# Altium PCB slave-14-mc33775.PcbDoc (part 2 of 5)
Units mil, origin at the board's own origin, x right, y up, seen from the top; angles counter-clockwise.
Board outline 6512.5 x 4562.01 mil, 6 copper layers (Top Copper, Supply, Signal Layer 1, Signal Layer 2, GND, Bot Copper), stack 69.773 mil thick; 427 components, 213 nets, 1131 pads, 1672 vias.
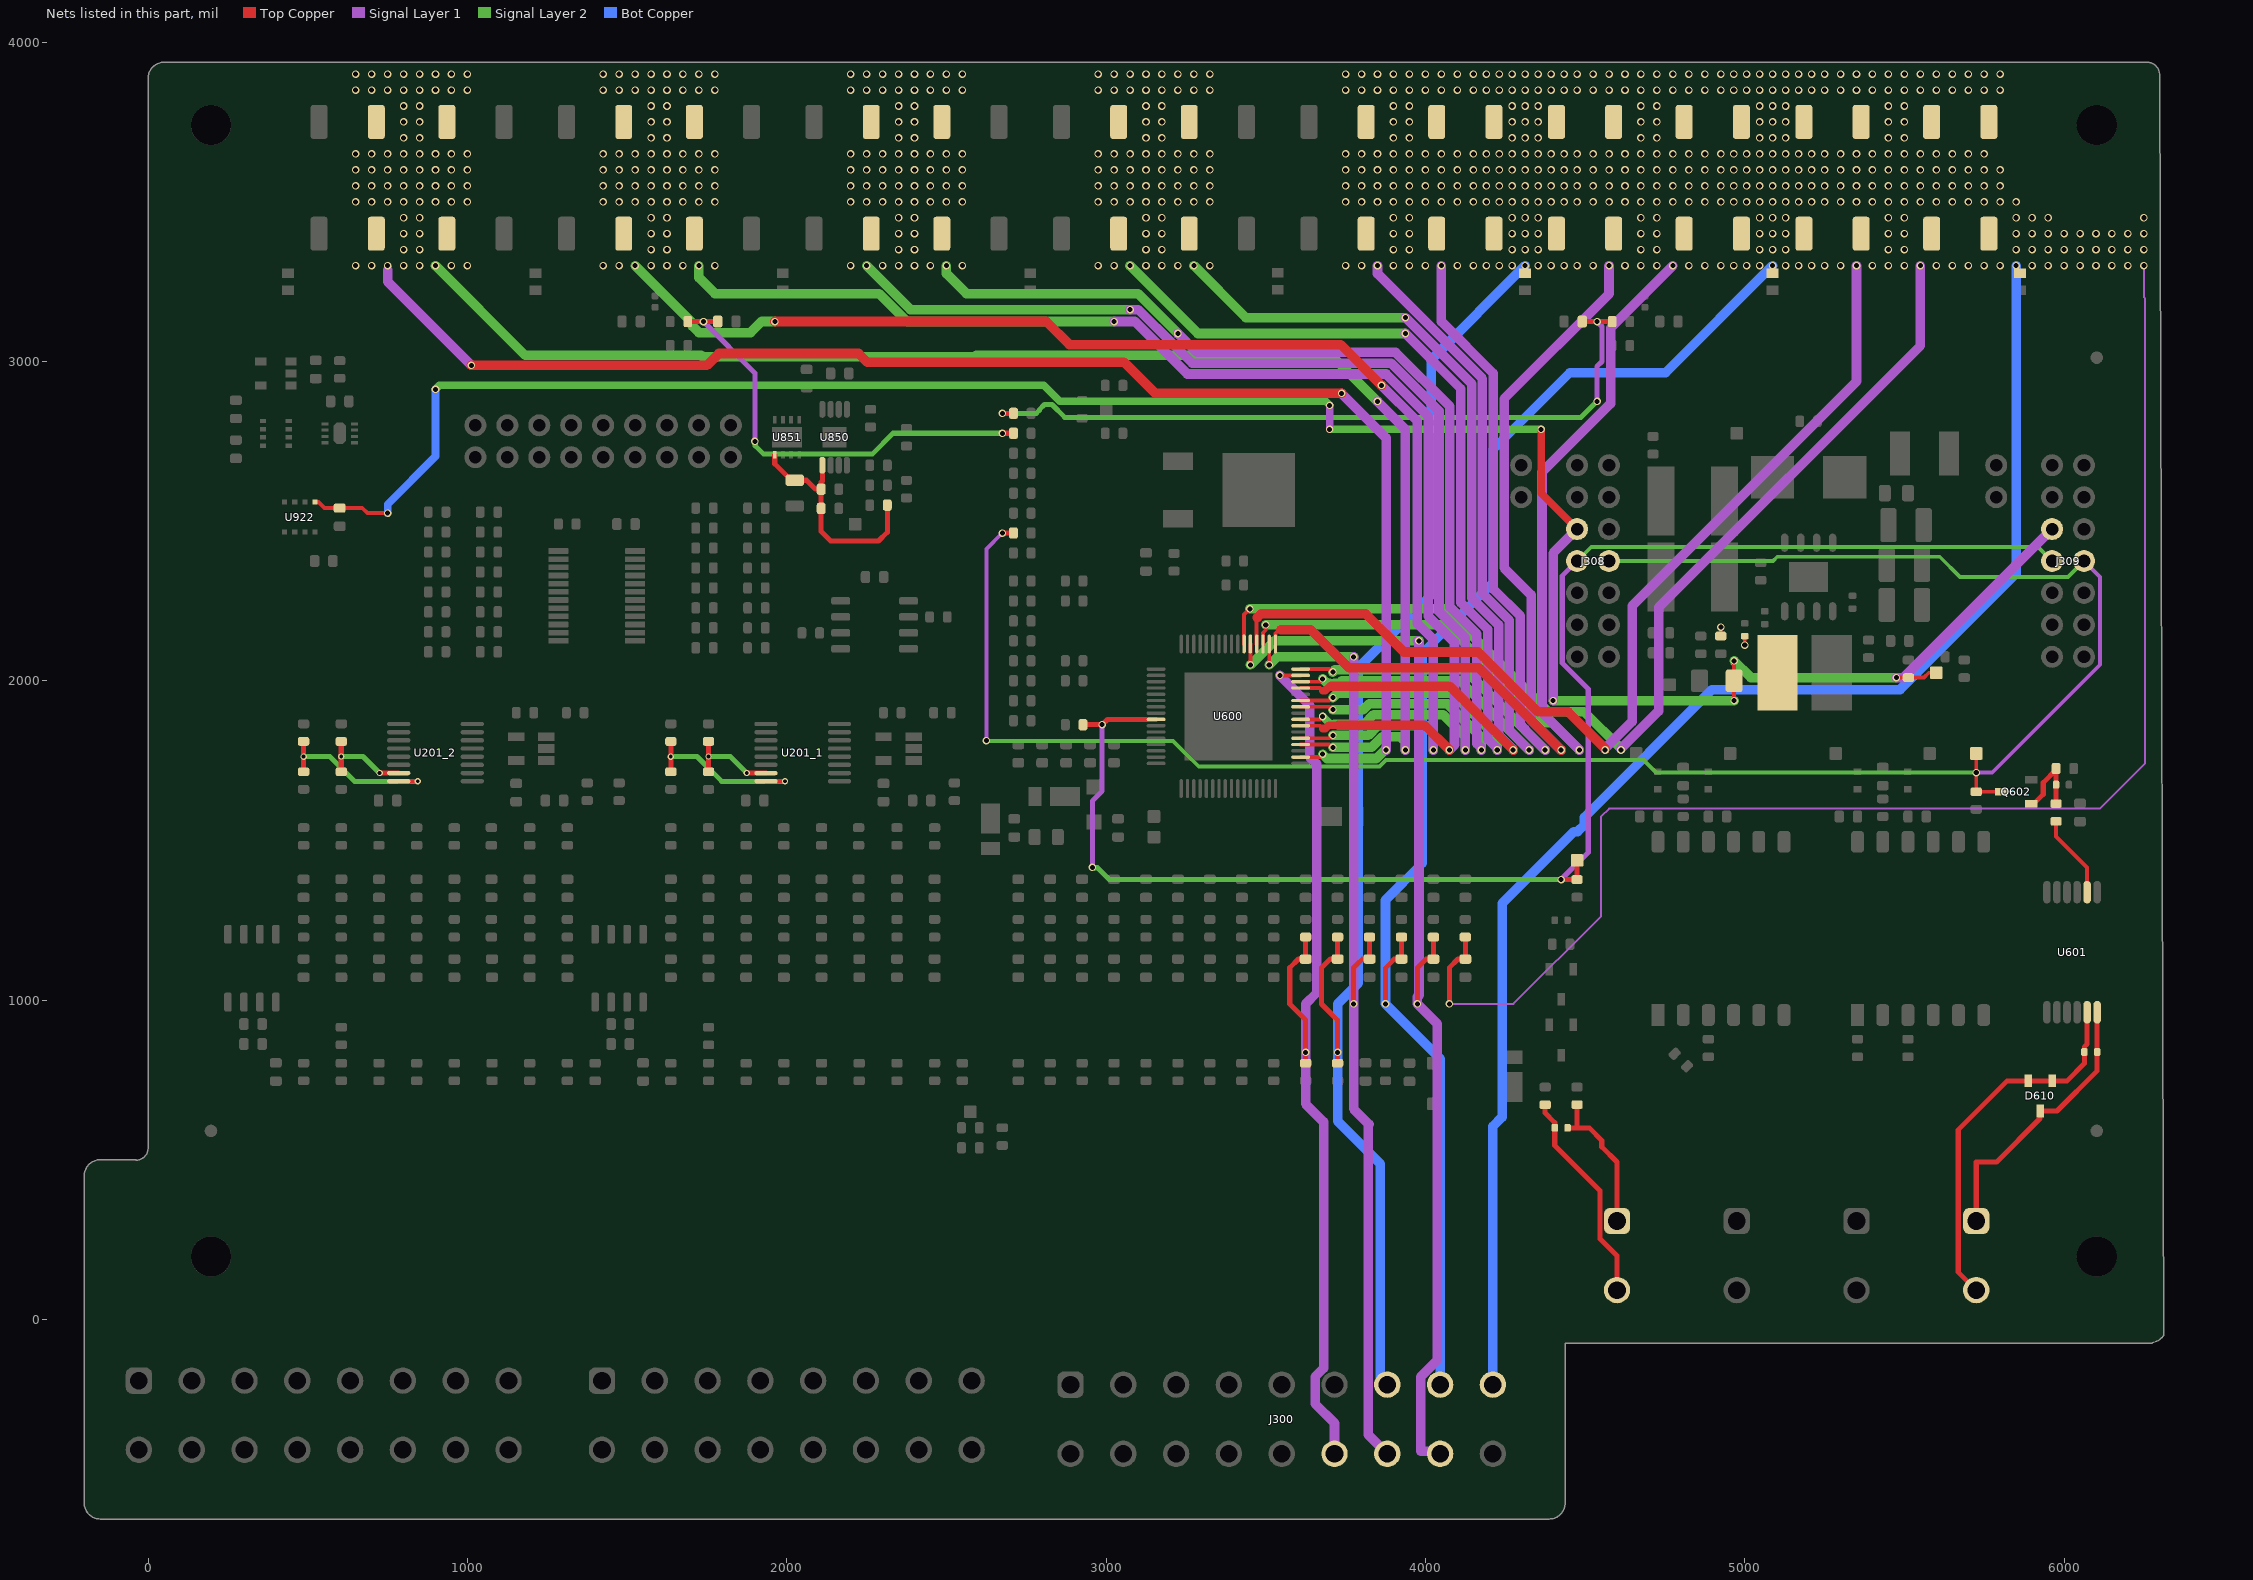
[diagram p6: the nets of this part, all layers, seen from the top]

## Footprints (in the part's own frame and the unit in brackets; to place one, negate y for a bottom-side part, rotate by r counter-clockwise, add the part's x,y. Pads: shape width x height; smd on the part's side, far side on the other; paste and mask are expansions set on the pad) (continued)
R-PDSO-G8 [mm] "SOIC, 8-Leads, Body 4,90x3,90mm, Pitch 1,27mm, Thermal Pad 3,10x2,40mm, IPC Medium Density"
  oval 1.45x0.6 smd: 1(-2.725,1.905) 2(-2.725,0.635) 3(-2.725,-0.635) 4(-2.725,-1.905) 5(2.725,-1.905) 6(2.725,-0.635) 7(2.725,0.635) 8(2.725,1.905)
  rect 2.4x3.1 smd: 9(0,0)
  silkscreen extent -2.85,-2.5 1.6,2.88, body extent -3,-2.5 3,2.5, height 1.7
RESC1005X04N [mm] "Chip Resistor, 2-Leads, Body 1,00x0,50mm, IPC Medium Density"
  rrect50% 0.55x0.55 smd: 1(-0.45,0) 2(0.45,0)
  body extent -0.53,-0.28 0.53,0.28, height 0.4
RESC1608X05N [mm] "Chip Resistor, 2-Leads, Body 1,60x0,80mm, IPC Medium Density"
  rrect50% 0.7x0.9 smd: 1(-0.7,0) 2(0.7,0)
  body extent -0.85,-0.45 0.85,0.45, height 0.45
RESC2012X05N [mm] "Chip Resistor, 2-Leads, Body 2,00x1,20mm, IPC Medium Density"
  rrect40% 0.95x1.3 smd: 1(-0.925,0) 2(0.925,0)
  silkscreen extent -0.05,-0.55 0.05,0.55, body extent -1.05,-0.65 1.05,0.65, height 0.5
RESC5025X07N [mm] "Chip Resistor, 2-Leads, Body 5,00x2,50mm, IPC Medium Density"
  rrect30% 1.35x2.7 smd: 1(-2.275,0) 2(2.275,0)
  silkscreen extent -1.2,-1.25 1.2,1.25, body extent -2.6,-1.35 2.6,1.35, height 0.7
S1MSP1 [mm] "SODFL, 2-Leads, Body 1,78x3,70mm, IPC Medium Density"
  rect 2.4x1.5 smd: 1(0.85,0)
  rect 1.05x1.5 smd: 2(-1.525,0)
  silkscreen extent 1.73,-1.07 1.83,-0.97, body extent -1.85,-0.96 1.85,0.96, height 1
SHT3X [mm] "SON, 8-Leads, Body 2,50x2,50mm, Pitch 0,50mm, Thermal Pad 1,80x1,09mm, IPC Medium Density"
  rect 0.55x0.25 smd: 1(-1.17,0.75) 2(-1.17,0.25) 3(-1.17,-0.25) 4(-1.17,-0.75) 5(1.17,-0.75) 6(1.17,-0.25) 7(1.17,0.25) 8(1.17,0.75)
  oct 1x1.7 smd: 9(0,0)
  Top Copper region: 0,-0.849 0.5,-0.849 0.5,0.851 0,0.851
  Top Copper region: -0.499,-0.85 0.001,-0.85 0.001,0 -0.499,0
  silkscreen extent -1.9,-1.45 1.45,1.5, body extent -1.25,-1.25 1.25,1.25, height 0.9
SOD523_PESD_NEXPERIA [mm] "SODFL, 2-Leads, Body 0,80x1,60mm, IPC Medium Density"
  rect 0.5x0.6 smd: 1(-0.7,0) 2(0.7,0)
  silkscreen extent -0.9,0.55 -0.8,0.65, body extent -0.8,-0.43 0.8,0.43, height 0.65
SOIC127P600X175-8N [mm] "SOIC, 8-Leads, Body 4,90x3,90mm, Pitch 1,27mm, IPC Medium Density"
  rrect50% 1.5x0.6 smd: 1(-2.7,1.905) 2(-2.7,0.635) 3(-2.7,-0.635) 4(-2.7,-1.905) 5(2.7,-1.905) 6(2.7,-0.635) 7(2.7,0.635) 8(2.7,1.905)
  silkscreen extent -2.8,-2.45 1.55,2.8, body extent -3,-2.45 3,2.45, height 1.75
SOT95P237X110-3N [mm] "SOT23, 3-Leads, Body 2,92x2,37mm, Pitch 0,95mm, IPC Medium Density"
  rect 1x0.6 smd: D(1.2,0) G(-1.2,0.95) S(-1.2,-0.95)
  silkscreen extent -0.3,-1.5 0.7,1.5, body extent -1.32,-1.52 1.32,1.52, height 1.1
SOT-23-OT5_L [mm] "SOT23, 5-Leads, Body 2.9x1.7mm, Pitch 0.95mm, Lead Span 2.8mm, IPC High Density"
  rect 0.9x0.65 smd: 1(-1.2,0.95) 2(-1.2,0) 3(-1.2,-0.95) 4(1.2,-0.95) 5(1.2,0.95)
  silkscreen extent -1.33,-1.55 0.35,1.95, body extent -0.9,-1.55 0.9,1.55, height 1.45
SRP7028A [mm] "Bourns SRP7028A Series"
  rect 3.45x3.35 smd: 1(-2.875,0) 2(2.875,0)
  silkscreen extent -3.8,-3.45 3.8,3.45, body extent -3.45,-3.3 3.45,3.3, height 2.86
Testpoint_S1 [mm] "Testpunkt, quardratisch 1mm"
  rrect20% 1x1 smd paste-0.5: 1(0,0)
TPS7A16_VSON [mm] "SON, 8-Leads, Body 3,00x3,00mm, Pitch 0,65mm, Thermal Pad 2,40x1,49mm, IPC Medium Density"
  rect 0.6x0.3 smd: 1(-1.4,0.975) 2(-1.4,0.325) 3(-1.4,-0.325) 4(-1.4,-0.975) 5(1.4,-0.975) 6(1.4,-0.325) 7(1.4,0.325) 8(1.4,0.975)
  rect 1.65x2.4 smd: 9(0,0)
  silkscreen extent -2.15,-1.7 1.7,1.75, body extent -1.55,-1.55 1.55,1.55, height 1
TPS7A16A-Q1 [mm] "TSOP, 8-Leads, Body 3,00x3,00mm, Pitch 0,65mm, Thermal Pad 1,92x1,60mm, IPC Medium Density"
  oval 1.35x0.5 smd: 1(-2.225,0.975) 2(-2.225,0.325) 3(-2.225,-0.325) 4(-2.225,-0.975) 5(2.225,-0.975) 6(2.225,-0.325) 7(2.225,0.325) 8(2.225,0.975)
  rect 1.6x1.92 smd: 9(0,0)
  silkscreen extent -2.35,-1.55 1.15,1.9, body extent -2.45,-1.55 2.45,1.55, height 1.1
TYS6045470M-10 [mm] "Precision Wire Wound Inductor, 2-Leads, Body 6,00x6,00mm, IPC Medium Density"
  rect 3.2x6 smd: 1(-2.15,0) 2(2.15,0)
  silkscreen extent -4.05,-3.15 0.15,3.15, body extent -3.1,-3 3.1,3, height 4.8
Vishay_THJP_0603 [mm] "ThermaWick Ceramic thermal coupling, 2-Leads, Body 1,55x0,84mm, IPC Medium Density"
  rect 0.75x0.95 smd: 1(-0.675,0) 2(0.675,0)
  body extent -0.84,-0.49 0.84,0.49, height 0.89

## Part data
3.3V_DCDC 3.3V_LDO ALARM_IN ALARM_OUT enable_DCDC GND TPL_H_N TPL_H_P TPL_L_N TPL_L_P Vaux Vbat Vbat_con_ext Vddc Vin_DCDC Vmodule: "Testpoint, square", Automotive Qualified=False, Part Number=Testpoint_Square
C200_1 C200_2 C203_1 C203_2 C220_1 C220_2: library part gen_C_ceramic_1u_35V_X7R_0603, "MLCC", Capacitance=1u, Case EIA=0603, Case Metric=1608, Dielectric=X7R, Operating Temperature="-55°C - +125°C", PnP Package=0603C, PnP Value=1uF/35V/X7R, Rated Voltage=35V, Supplier Part Number 1=2906941, AEC-Q Norm=AEC-Q200, Automotive Qualified=True, ECCN=EAR99, Part Number=gen_C_ceramic_1u_35V_X7R_0603, PnP equipped=x, Supplier 1=Farnell
C201_1 C201_2 C212_1 C212_2 C213_1 C213_2 C214_1 C214_2 C215_1 C215_2 C216_1 C216_2 C217_1 C217_2 C218_1 C218_2 C219_1 C219_2 C221_1 C221_2 C400 C601 C603 C604 C605 C606 C613 C617 C807 C850 C852 C900 C920 C921 C922 C923 C924 C925: library part gen_C_ceramic_100n_100V_X7R_0603, "MLCC", Capacitance=100n, Case EIA=0603, Case Metric=1608, Dielectric=X7R, PnP Package=0603C, Rated Voltage=100V, Supplier Part Number 1=490-13420-1-ND, Automotive Qualified=True, Part Number=gen_C_ceramic_100n_100V_X7R_0603, Supplier 1=Digikey, Supplier 2=Mouser, Supplier Part Number 2=81-GCJ188R72A104KA1D
C202_1 C202_2 C204_1 C204_2 C205_1 C205_2 C206_1 C206_2 C207_1 C207_2 C208_1 C208_2 C209_1 C209_2 C210_1 C210_2 C211_1 C211_2 C607 C610: library part gen_C_ceramic_10n_100V_X7R_0603, "MLCC", Capacitance=10n, Case EIA=0603, Case Metric=1608, Dielectric=X7R, PnP Package=0603C, PnP Value=10nF/100V/X7R, Rated Voltage=100V, Supplier Part Number 1=1301715, AEC-Q Norm=AEC-Q200, Automotive Qualified=True, ECCN=EAR99, Part Number=gen_C_ceramic_10n_100V_X7R_0603, Supplier 1=Farnell, Supplier 2=Farnell, Supplier 3=Farnell, Supplier Part Number 2=2821192, Supplier Part Number 3=2210878
C500 C501 C502 C503 C504 C505 C506 C507 C508 C509 C510 C511 C512 C513 C514 C515 C516 C517 C518 C519 C520 C521 C522 C523 C524 C525 C526 C527 C528 C529 C530 C531 C600 C700 C701 C702 C703: library part gen_C_ceramic_47n_100V_X7R_0603, "MLCC", Capacitance=47n, Case EIA=0603, Case Metric=1608, Dielectric=X7R, PnP Package=0603C, Rated Voltage=100V, Supplier Part Number 1=2478249, Automotive Qualified=True, Part Number=gen_C_ceramic_47n_100V_X7R_0603, Supplier 1=Farnell, Supplier 2=Farnell, Supplier 3=Farnell, Supplier Part Number 2=2708699, Supplier Part Number 3=2905110
C602 C608 C609 C612: library part gen_C_ceramic_220p_50V_C0G_0603, "MLCC", Capacitance=220p, Case EIA=0603, Case Metric=1608, Dielectric=C0G, PnP Package=0603C, Rated Voltage=50V, Supplier Part Number 1=603-AC603JRNPO9BN221, AEC-Q Norm=AEC-Q200, Automotive Qualified=True, ECCN=EAR99, Part Number=gen_C_ceramic_220p_50V_C0G_0603, Supplier 1=Mouser
C611: library part gen_C_ceramic_470n_50V_X7R_0603, "MLCC", Capacitance=470n, Case EIA=0603, Case Metric=1608, Dielectric=X7R, PnP Package=0603C, Rated Voltage=50V, Supplier Part Number 1=2547051, AEC-Q Norm=AEC-Q200, Automotive Qualified=True, ECCN=EAR99, Part Number=gen_C_ceramic_470n_50V_X7R_0603, Supplier 1=Farnell
C614 C615 C616 C618: library part gen_C_ceramic_22p_50V_C0G_0402, "MLCC", Capacitance=22p, Case EIA=0402, Case Metric=1005, Dielectric=C0G, PnP Package=0402C, Rated Voltage=50V, Supplier Part Number 1=1856067, Tolerance=1%, Automotive Qualified=True, Part Number=gen_C_ceramic_22p_50V_C0G_0402, Supplier 1=Farnell
C800 C801: library part gen_C_ceramic_15u_100V_X7R_2220, "Stacked MLCC", Capacitance=15u, Case EIA=2220, Case Metric=5750, Dielectric=X7R, Rated Voltage=100V, Supplier Part Number 1=2781468, Automotive Qualified=True, Part Number=gen_C_ceramic_15u_100V_X7R_2220, Supplier 1=Farnell, Supplier 2=Digikey, Supplier 3=Mouser, Supplier Part Number 2=490-5838-1-ND, Supplier Part Number 3=81-KCM55WR72A156MH1K
C802 C803: library part gen_C_ceramic_1u_100V_X7R_1210, "MLCC", Capacitance=1u, Case EIA=1210, Case Metric=3225, Dielectric=X7R, Rated Voltage=100V, Supplier Part Number 1=1301722, Automotive Qualified=True, AVT Set=x, Part Number=gen_C_ceramic_1u_100V_X7R_1210, Supplier 1=Farnell
C804: library part gen_C_ceramic_3u3_100V_X7R_1812, "MLCC", Capacitance=3u3, Case EIA=1812, Case Metric=4532, Dielectric=X7R, Rated Voltage=100V, Supplier Part Number 1=2579025, Automotive Qualified=True, Part Number=gen_C_ceramic_3u3_100V_X7R_1812, Supplier 1=Farnell, Supplier 2=Digikey, Supplier 3=Mouser, Supplier Part Number 2=399-13376-1-ND, Supplier Part Number 3=80-C1812C335K1RAUTO
C805 C808: library part gen_C_ceramic_2n2_100V_X7R_0402, "MLCC", Capacitance=2n2, Case EIA=0402, Case Metric=1005, Dielectric=X7R, PnP Package=0402C, Rated Voltage=100V, Supplier Part Number 1=490-4911-1-ND, Automotive Qualified=True, Part Number=gen_C_ceramic_2n2_100V_X7R_0402, Supplier 1=Digikey
C806: library part gen_C_ceramic_2u2_100V_X7R_1210, "MLCC", Capacitance=2u2, Case EIA=1210, Case Metric=3225, Dielectric=X7R, Rated Voltage=100V, Supplier Part Number 1=2781417, Automotive Qualified=True, AVT Set=x, Part Number=gen_C_ceramic_2u2_100V_X7R_1210, Supplier 1=Farnell, Supplier 2=Farnell, Supplier Part Number 2=2579027
C809: library part gen_C_ceramic_100p_200V_C0G_0402, "MLCC", Capacitance=100p, Case EIA=0402, Case Metric=1005, Dielectric=C0G, PnP Package=0402C, Rated Voltage=200V, Supplier Part Number 1=2426878, Tolerance=5%, Automotive Qualified=True, Part Number=gen_C_ceramic_100p_200V_C0G_0402, Supplier 1=Farnell, Supplier 2=Digikey, Supplier 3="RS Components", Supplier Part Number 2=399-11551-1-ND, Supplier Part Number 3=8353949
C810: library part gen_C_ceramic_22u_6V3_X7R_1206, "MLCC", Capacitance=22u, Case EIA=1206, Case Metric=3216, Dielectric=X7R, Rated Voltage=6.3V, Supplier Part Number 1=2672216, Automotive Qualified=True, Part Number=gen_C_ceramic_22u_6V3_X7R_1206, Supplier 1=Farnell, Supplier 2=Farnell, Supplier Part Number 2=2211066
C851: library part gen_C_ceramic_2u2_10V_X7R_0805, "MLCC", Capacitance=2u2, Case EIA=0805, Case Metric=2012, Dielectric=X7R, Rated Voltage=10V, Supplier Part Number 1=2478259, Automotive Qualified=True, Part Number=gen_C_ceramic_2u2_10V_X7R_0805, Supplier 1=Farnell, Supplier 2=Farnell, Supplier Part Number 2=2070513
D600 D601 D608: "Schottky Diode", Breakdown Voltage=100V, Continuous Forward Current=1A, Manufacturer="Diodes Inc.", Operating Temperature="−55°C - +175°C", PnP Package=POWERDI123, Supplier Part Number 1=621-DFLS1-100Q-7, Automotive Qualified=True, ComponentLink1Description=Datasheet, ComponentLink1URL=https://www.diodes.com/assets/Datasheets/ds30497.pdf, Part Name=DFLS1100Q-7, Part Number=DFLS1100Q-7, Supplier 1=Mouser, Supplier 2=Digikey, Supplier 3=Farnell, Supplier Part Number 2=DFLS1100Q-7DICT-ND, Supplier Part Number 3=3127293
D602: "400W Transient Voltage Suppressor", Breakdown Voltage=70.20V, Manufacturer=Nexperia, Operating Temperature="-55°C - +150°C", Part Name=PTVSxS1UR, Supplier Part Number 1=771-PTVS60VS1UR115, AEC-Q Norm=AEC-Q101, Automotive Qualified=True, ComponentLink1Description=Datasheet, ComponentLink1URL=https://assets.nexperia.com/documents/data-sheet/PTVSXS1UR_SER.pdf, ECCN=EAR99, Part Number=PTVS60VS1UR, Supplier 1=Mouser, Supplier 2=Digikey, Supplier Part Number 2=1727-5879-1-ND
D603: "1.0A surface mount glass passivated rectifier", Breakdown Voltage=1000V, Continuous Forward Current=1A, Manufacturer="Diodes Inc.", Operating Temperature="-55°C - +150°C", Supplier Part Number 1=621-S1MSP1-7, Automotive Qualified=False, ComponentLink1Description=Datasheet, ComponentLink1URL=https://www.mouser.de/datasheet/2/115/S1MSP1-1019698.pdf, ECCN=EAR99, Part Name=S1MSP1-7, Part Number=S1MSP1-7, Supplier 1=Mouser, Supplier 2=Digikey, Supplier Part Number 2=S1MSP1-7-ND
D604 D605 D606 D607: "Very low capacitance bidirectional ESD protection diode", Breakdown Voltage=6.8V, Manufacturer=Nexperia, Operating Temperature="-55°C - +150°C", PnP Package=SOD523, Supplier Part Number 1=771-PESD5V0V1BB115, AEC-Q Norm=AEC-Q101, Automotive Qualified=True, ComponentLink1Description=Datasheet, ComponentLink1URL=https://assets.nexperia.com/documents/data-sheet/PESD5V0V1BB.pdf, ECCN=EAR99, Part Name=PESD5V0V1BB, Part Number=PESD5V0V1BB, Supplier 1=Mouser, Supplier 2=Digikey, Supplier 3=Farnell, Supplier Part Number 2=1727-5808-1-ND, Supplier Part Number 3=2069367
D609 D610: "ESD-Schutzbaustein", Breakdown Voltage=8V, Manufacturer="ON Semiconductor", PnP Package=SOT23-3, Supplier Part Number 1=2317483, Automotive Qualified=True, ComponentLink1Description=Datasheet, ComponentLink1URL=http://www.farnell.com/datasheets/2354265.pdf, Part Name=PACDN042Y3R, Part Number=PACDN042Y3R, Supplier 1=Farnell, Supplier 2=Digikey, Supplier 3=Mouser, Supplier Part Number 2=PACDN042Y3ROSCT-ND, Supplier Part Number 3=748-PACDN042Y3R
FD_LL FD_LR FD_UR: library part Fiducial_2
IC920: library part CMP-0192-00211-1, "2-Wire High-Accuracy Temperature Sensor, Slave Address 000, 5-Pin SOT-23, -55°C to +125°C Temperature, Tape and Reel", Code_IPC=SOT23-5, DatasheetVersion="revD, Nov-2010", PackageDescription="5-Lead Plastic Small Outline Transistor (OT) [SOT-23]", PackageReference=SOT-23-OT5, PackageVersion="revBB, Aug-2009"
J300: library part CMP-1502-00501-2, Color=White, Contact Resistance=10mΩ, Current Rating=6A, Insulation Resistance=1GΩ, Max Operating Temperature=105°C, Min Operating Temperature=-40°C, Operating Supply Voltage=600V, Connector Type="Male Pin, Socket", Contact Material=Copper, Contact Plating=Tin, Fastening Type=Ramp, Gender=Male, Height=12.8mm, Lead Pitch=4.2mm, Length=39mm, Mount="Through Hole", NexarPartId=23024638, Number of Contacts=18, Number of Pins=18, Number of Positions=18, Number of Rows=2, Orientation=Vertical, Pitch=4.2mm, REACH SVHC=Unknown, RoHS=Compliant, Row Spacing=4.191mm, Termination=Solder, Width=39.1mm
J301 J302 J305 J306: library part CMP-1502-00493-2, Color=White, Contact Resistance=10mΩ, Current Rating=9A, Flammability Rating="UL94 V-0", Insulation Resistance=1GΩ, Max Operating Temperature=105°C, Min Operating Temperature=-40°C, Operating Supply Voltage=600V, Connector Type="Male Pin, Socket", Contact Gender=Male, Contact Material=Copper, Contact Plating=Tin, Fastening Type=Ramp, Gender=Male, Height=12.8mm, Housing Material=Nylon, Lead Length=3.5mm, Lead Pitch=4.2mm, Length=5.4mm, Mount="Through Hole", NexarPartId=8917578, Number of Contacts=2, Number of Pins=2, Number of Positions=2, Number of Rows=2, Orientation=Vertical, Pitch=4.2mm, REACH SVHC=Unknown, RoHS=Compliant, Row Spacing=5.5118mm, Termination=Solder, Voltage Rating=600V, Width=5.5mm
J303: "Standard Pinheader, THD, gerade, 2.54mm, 2-reihig", Operating Temperature="−40 °C - +105 °C", Part Name=PinHeader, Rated Current=3A, Rated Voltage=250V, Supplier Part Number 1=2025256, Automotive Qualified=False, Circuits=18, Part Number=gen_pinheader_2.54_2x9, Supplier 1=Farnell
J304 J307: library part CMP-1502-00500-2, Color=White, Contact Resistance=10mΩ, Current Rating=6A, Insulation Resistance=1GΩ, Max Operating Temperature=105°C, Min Operating Temperature=-40°C, Operating Supply Voltage=600V, Connector Type="Male Pin, Socket", Contact Material=Copper, Contact Plating=Tin, Fastening Type=Ramp, Gender=Male, Height=12.8mm, Lead Pitch=4.2mm, Length=34.8mm, Mount="Through Hole", NexarPartId=23024631, Number of Contacts=16, Number of Pins=16, Number of Positions=16, Number of Rows=2, Orientation=Vertical, Pitch=4.2mm, REACH SVHC=Unknown, RoHS=Compliant, Row Spacing=4.191mm, Termination=Solder, Width=34.9mm
J308 J309: "Standard Pinheader, THD, gerade, 2.54mm, 2-reihig", Operating Temperature="−40 °C - +105 °C", Part Name=PinHeader, Rated Current=3A, Rated Voltage=250V, Supplier Part Number 1=200-TSW10707GD, Automotive Qualified=False, Circuits=14, Part Number=gen_pinheader_2.54_2x7, Supplier 1=Mouser
J311 J312: "Standard Pinheader, THD, gerade, 2.54mm", Operating Temperature="−40 °C - +105 °C", Part Name=PinHeader, Rated Current=3A, Rated Voltage=250V, Supplier Part Number 1=2505044, Automotive Qualified=False, Circuits=2, Part Number=gen_pinheader_2.54_2, Supplier 1=Farnell
L800: library part SRP7028A-R47M, "FIXED IND 470NH 17.5A 4.2 MOHM", Manufacturer="Bourns Inc", Operating Temperature="-40°C - +150°C", Rated Current=17.5A, Saturation Current=26A, Supplier Part Number 1=SRP7028A-R47MCT-ND, Automotive Qualified=True, ComponentLink1Description=Datasheet, ComponentLink1URL=https://www.bourns.com/docs/Product-Datasheets/SRP7028A.pdf, Inductance=470nH, Part Number=SRP7028A-R47M, Supplier 1=Digikey, Supplier 2=Farnell, Supplier Part Number 2=2434106
L801: library part TYS6045470M-10, "Power Inductor", Manufacturer="Laird-Signal Integrity Products", Operating Temperature="-55°C - +150°C", Rated Current=1.2A, Saturation Current=1.4A, Supplier Part Number 1=240-2745-1-ND, Automotive Qualified=True, ComponentLink1Description=Datasheet, ComponentLink1URL=http://assets.lairdtech.com/home/brandworld/files/TYS6045470M-10.pdf, Inductance=47µH, Part Number=TYS6045470M-10, Supplier 1=Digikey
LD600 LD601 LD800 LD850: library part LED_0603_green_AECQ, "TLMG1100-GS08", Breakdown Voltage=5V, Continuous Forward Current=20mA, Forward Voltage @ 20mA=2.1V, Manufacturer=Vishay, Operating Temperature="-40°C - 100°C", PnP Package=LED_0603, Supplier Part Number 1=2293494, Automotive Qualified=True, Color=green, ComponentLink1Description=Datasheet, ComponentLink1URL=http://www.farnell.com/datasheets/2049164.pdf, Part Number=LED_0603_green_AECQ, Supplier 1=Farnell, Supplier 2=Digikey, Supplier Part Number 2=751-1165-1-ND
MP_LL MP_LR MP_UL MP_UR: "Hole, M3, with Isolation", Automotive Qualified=False, Part Number=Hole_3.2_Iso
Q600: "100V, 3A NPN high power bipolar transistor", Manufacturer=Nexperia, Operating Temperature="-55°C - +150°C", Part Name=MJD31CA, Supplier Part Number 1=771-MJD31CAJ, AEC-Q Norm=AEC-Q101, Automotive Qualified=True, ComponentLink1Description=Datasheet, ComponentLink1URL=https://www.mouser.de/datasheet/2/916/MJD31CA-1665957.pdf, ECCN=EAR99, Part Number=MJD31CAJ, Supplier 1=Mouser, Supplier 2=Digikey, Supplier Part Number 2=1727-8685-1-ND
Q601 Q602: "MOSFET-Transistor, n-Kanal, 1.6 A, 100 V, 0.250 ohm", Manufacturer=Diodes, Maximum Continous Drain Current (25°C)=1.6A, Maximum Drain-Source Voltage=100V, Operating Temperature="-55°C - +150°C", Part Name=NMOS, Supplier Part Number 1=DMN10H220L-7DICT-ND, Automotive Qualified=True, ComponentLink1Description=Datasheet, ComponentLink1URL=https://www.diodes.com/assets/Datasheets/DMN10H220L.pdf, Part Number=DMN10H220L-7, R_DS(on)=250m, Supplier 1=Digikey, Total Gate Charge=4.1nC
R100 R200_1 R200_2 R201_1 R201_2 R202_1 R202_2 R203_1 R203_2 R204_1 R204_2 R205_1 R205_2 R210_1 R210_2 R211_1 R211_2 R212_1 R212_2 R213_1 R213_2 R214_1 R214_2 R215_1 R215_2 R216_1 R216_2 R217_1 R217_2 R230_1 R230_2 R232_1 R232_2 R516 R517 R518 R519 R520 R521 R522 R523 R524 R525 R526 R601 R602 R603 R606 R607 R608 R609 R610 R612 R613 R614 R615 R619 R620 R622 R623 R624 R625 R626 R629 R630 R631 R633 R635 R636 R637 R639 R640 R801 R803 R807 R850 R851 R853: library part gen_R_0R_0603, "SMD Resistor 0R 0603", Case EIA=0603, Case Metric=1608, Maximum Working Voltage=75V, Operating Temperature="-55°C - +155°C", PnP Package=0603R, Power=0.1W, Supplier Part Number 1=2616580, Automotive Qualified=True, Part Number=gen_R_0R_0603, PnP equipped=x, PnP Value=0R, Resistance=0R, Series=Jumper, Supplier 1=Farnell
R206_1 R206_2 R207_1 R207_2 R208_1 R208_2 R209_1 R209_2 R218_1 R218_2 R219_1 R219_2 R220_1 R220_2 R221_1 R221_2 R500 R501 R502 R503 R504 R505 R506 R507 R508 R509 R510 R511 R512 R513 R514 R515 R700 R701 R702 R703 R810 R916 R920: library part gen_R_10k_0603, "SMD Resistor 10k 0603", Case EIA=0603, Case Metric=1608, Maximum Working Voltage=75V, Operating Temperature="-55°C - +155°C", PnP Package=0603R, Power=0.1W, Supplier Part Number 1=2073349, Tolerance=1%, Automotive Qualified=True, Part Number=gen_R_10k_0603, PnP Value=10k, Resistance=10k, Series="E24, E96", Supplier 1=Farnell
R222_1 R222_2 R223_1 R223_2 R224_1 R224_2 R225_1 R225_2 R226_1 R226_2 R227_1 R227_2 R228_1 R228_2 R229_1 R229_2 R231_1 R231_2: library part gen_R_1k_0603, "SMD Resistor 1k 0603", Case EIA=0603, Case Metric=1608, Maximum Working Voltage=75V, Operating Temperature="-55°C - +155°C", PnP Package=0603R, Power=0.1W, Supplier Part Number 1=1652848, Tolerance=1%, Automotive Qualified=True, Part Number=gen_R_1k_0603, PnP equipped=x, PnP Value=1k, Resistance=1k, Series="E24, E96", Supplier 1=Farnell
R400 R401 R616 R617 R627 R641: library part gen_R_5k1_0603, "SMD Resistor 5k1 0603", Case EIA=0603, Case Metric=1608, Maximum Working Voltage=75V, Operating Temperature="-55°C - +155°C", PnP Package=0603R, Power=0.1W, Supplier Part Number 1=667-ERJ-3GEYJ512V, Tolerance=5%, AEC-Q Norm=AEC-Q200, Automotive Qualified=True, ECCN=EAR99, Part Number=gen_R_5k1_0603, PnP Value=5k1, Resistance=5k1, Series=E24, Supplier 1=Mouser
R600: library part gen_R_10R_0805, "SMD Resistor 10R 0805", Case EIA=0805, Case Metric=2012, Maximum Working Voltage=150V, Operating Temperature="-55°C - +155°C", PnP Package=0805R, Power=0.125W, Supplier Part Number 1=1750728, Tolerance=1%, AEC-Q Grade="Grade 0", AEC-Q Norm=AEC-Q200, Automotive Qualified=True, ECCN=EAR99, Part Number=gen_R_10R_0805, PnP Value=10R, Resistance=10R, Series="E24, E96", Supplier 1=Farnell
R604: library part gen_R_270R_0603, "SMD Resistor 270R 0603", Case EIA=0603, Case Metric=1608, Maximum Working Voltage=75V, Operating Temperature="-55°C - +155°C", PnP Package=0603R, Power=0.1W, Supplier Part Number 1=2141320, Tolerance=1%, Automotive Qualified=True, Part Number=gen_R_270R_0603, PnP Value=270R, Resistance=270R, Series=E24, Supplier 1=Farnell
R605: library part gen_R_2k7_0603, "SMD Resistor 2k7 0603", Case EIA=0603, Case Metric=1608, Maximum Working Voltage=75V, Operating Temperature="-55°C - +155°C", PnP Package=0603R, Power=0.1W, Tolerance=1%, Automotive Qualified=False, Part Number=gen_R_2k7_0603, PnP Value=2k7, Resistance=2k7, Series=E24
R611 R621 R628 R632 R634 R642: library part gen_R_150R_0603, "SMD Resistor 150R 0603", Case EIA=0603, Case Metric=1608, Maximum Working Voltage=75V, Operating Temperature="-55°C - +155°C", PnP Package=0603R, Power=0.1W, Supplier Part Number 1=2303076, Tolerance=1%, AEC-Q Grade="Grade 0", AEC-Q Norm=AEC-Q200, Automotive Qualified=True, ECCN=EAR99, Part Number=gen_R_150R_0603, PnP Value=150R, Resistance=150R, Series="E24, E96", Supplier 1=Farnell
R618: library part gen_R_13R7_0603, "SMD Resistor 13R7 0603", Case EIA=0603, Case Metric=1608, Maximum Working Voltage=75V, Operating Temperature="-55°C - +155°C", PnP Package=0603R, Power=0.1W, Tolerance=1%, Automotive Qualified=False, Part Number=gen_R_13R7_0603, PnP Value=13R7, Resistance=13R7, Series=E96
R638 R643 R808 R900 R901 R902 R903 R904 R905 R906 R907 R908 R909 R910 R911 R912 R913 R914 R915 R917 R918 R919 R921 R922 R923 R924 R925 R926 R927 R928 R929 R930 R931 R932 R933: library part gen_R_100k_0603, "SMD Resistor 100k 0603", Case EIA=0603, Case Metric=1608, Maximum Working Voltage=75V, Operating Temperature="-55°C - +155°C", PnP Package=0603R, Power=0.1W, Supplier Part Number 1=2303232, Tolerance=1%, Automotive Qualified=True, Part Number=gen_R_100k_0603, PnP equipped=x, PnP Value=100k, Resistance=100k, Series="E24, E96", Supplier 1=Farnell
R704 R705: library part gen_R_10k_NTC_0402, "SMD Resistor 10k NTC 0402", Case EIA=0402, Maximum Working Voltage=50V, Operating Temperature="-40°C - +150°C", Power=0.150W, Supplier Part Number 1=2432559, Automotive Qualified=True, Part Number=gen_R_10k_NTC_0402, Resistance="10k NTC", Series=NTC, Supplier 1=Farnell, Supplier 2=Digikey, Supplier Part Number 2=495-76289-1-ND
R706 R707 R708 R709 R710 R711 R712 R713: library part Vishay_THJP_0603, "ThermaWick thermal coupling 0603", Case EIA=0603, Maximum Working Voltage=1.5kV, Supplier Part Number 1=71-THJP0603AST1, Automotive Qualified=False, ECCN=EAR99, Part Number=Vishay_THJP_0603, Resistance=ThermaWick, Series="Thermal Jumper", Supplier 1=Mouser
R714 R715 R716 R717 R718 R719 R720 R721 R722 R723 R724 R725 R726 R727 R728 R729 R730 R731 R732 R733 R734 R735 R736 R737 R738 R739 R740 R741: library part gen_R_68R_2010, "SMD Resistor 68R 2010", Case EIA=2010, Case Metric=5025, Maximum Working Voltage=200V, Operating Temperature="-55°C - +155°C", PnP Package=2010R, Power=0.75W, Supplier Part Number 1=2323988, Tolerance=1%, Automotive Qualified=True, Part Number=gen_R_68R_2010, PnP Value=68R, Resistance=68R, Series=E24, Supplier 1=Farnell
R800: library part gen_R_100R_0603, "SMD Resistor 100R 0603", Case EIA=0603, Case Metric=1608, Maximum Working Voltage=75V, Operating Temperature="-55°C - +155°C", PnP Package=0603R, Power=0.1W, Supplier Part Number 1=P100HCT-ND, Tolerance=1%, Automotive Qualified=True, Part Number=gen_R_100R_0603, PnP equipped=x, PnP Value=100R, Resistance=100R, Series="E24, E96", Supplier 1=Digikey
R802: library part gen_R_0R1_0805, "SMD Resistor 0R1 0805", Case EIA=0805, Maximum Working Voltage=150V, Operating Temperature="-55°C - +155°C", Power=250mW, Supplier Part Number 1=2824733, Automotive Qualified=True, Part Number=gen_R_0R1_0805, Resistance=0R1, Supplier 1=Farnell, Supplier 2=Digikey, Supplier Part Number 2=CRM0805AJX-R100ELFCT-ND